# Allegro board BRD_05101_01_rev_b01_aa.brd (continued)
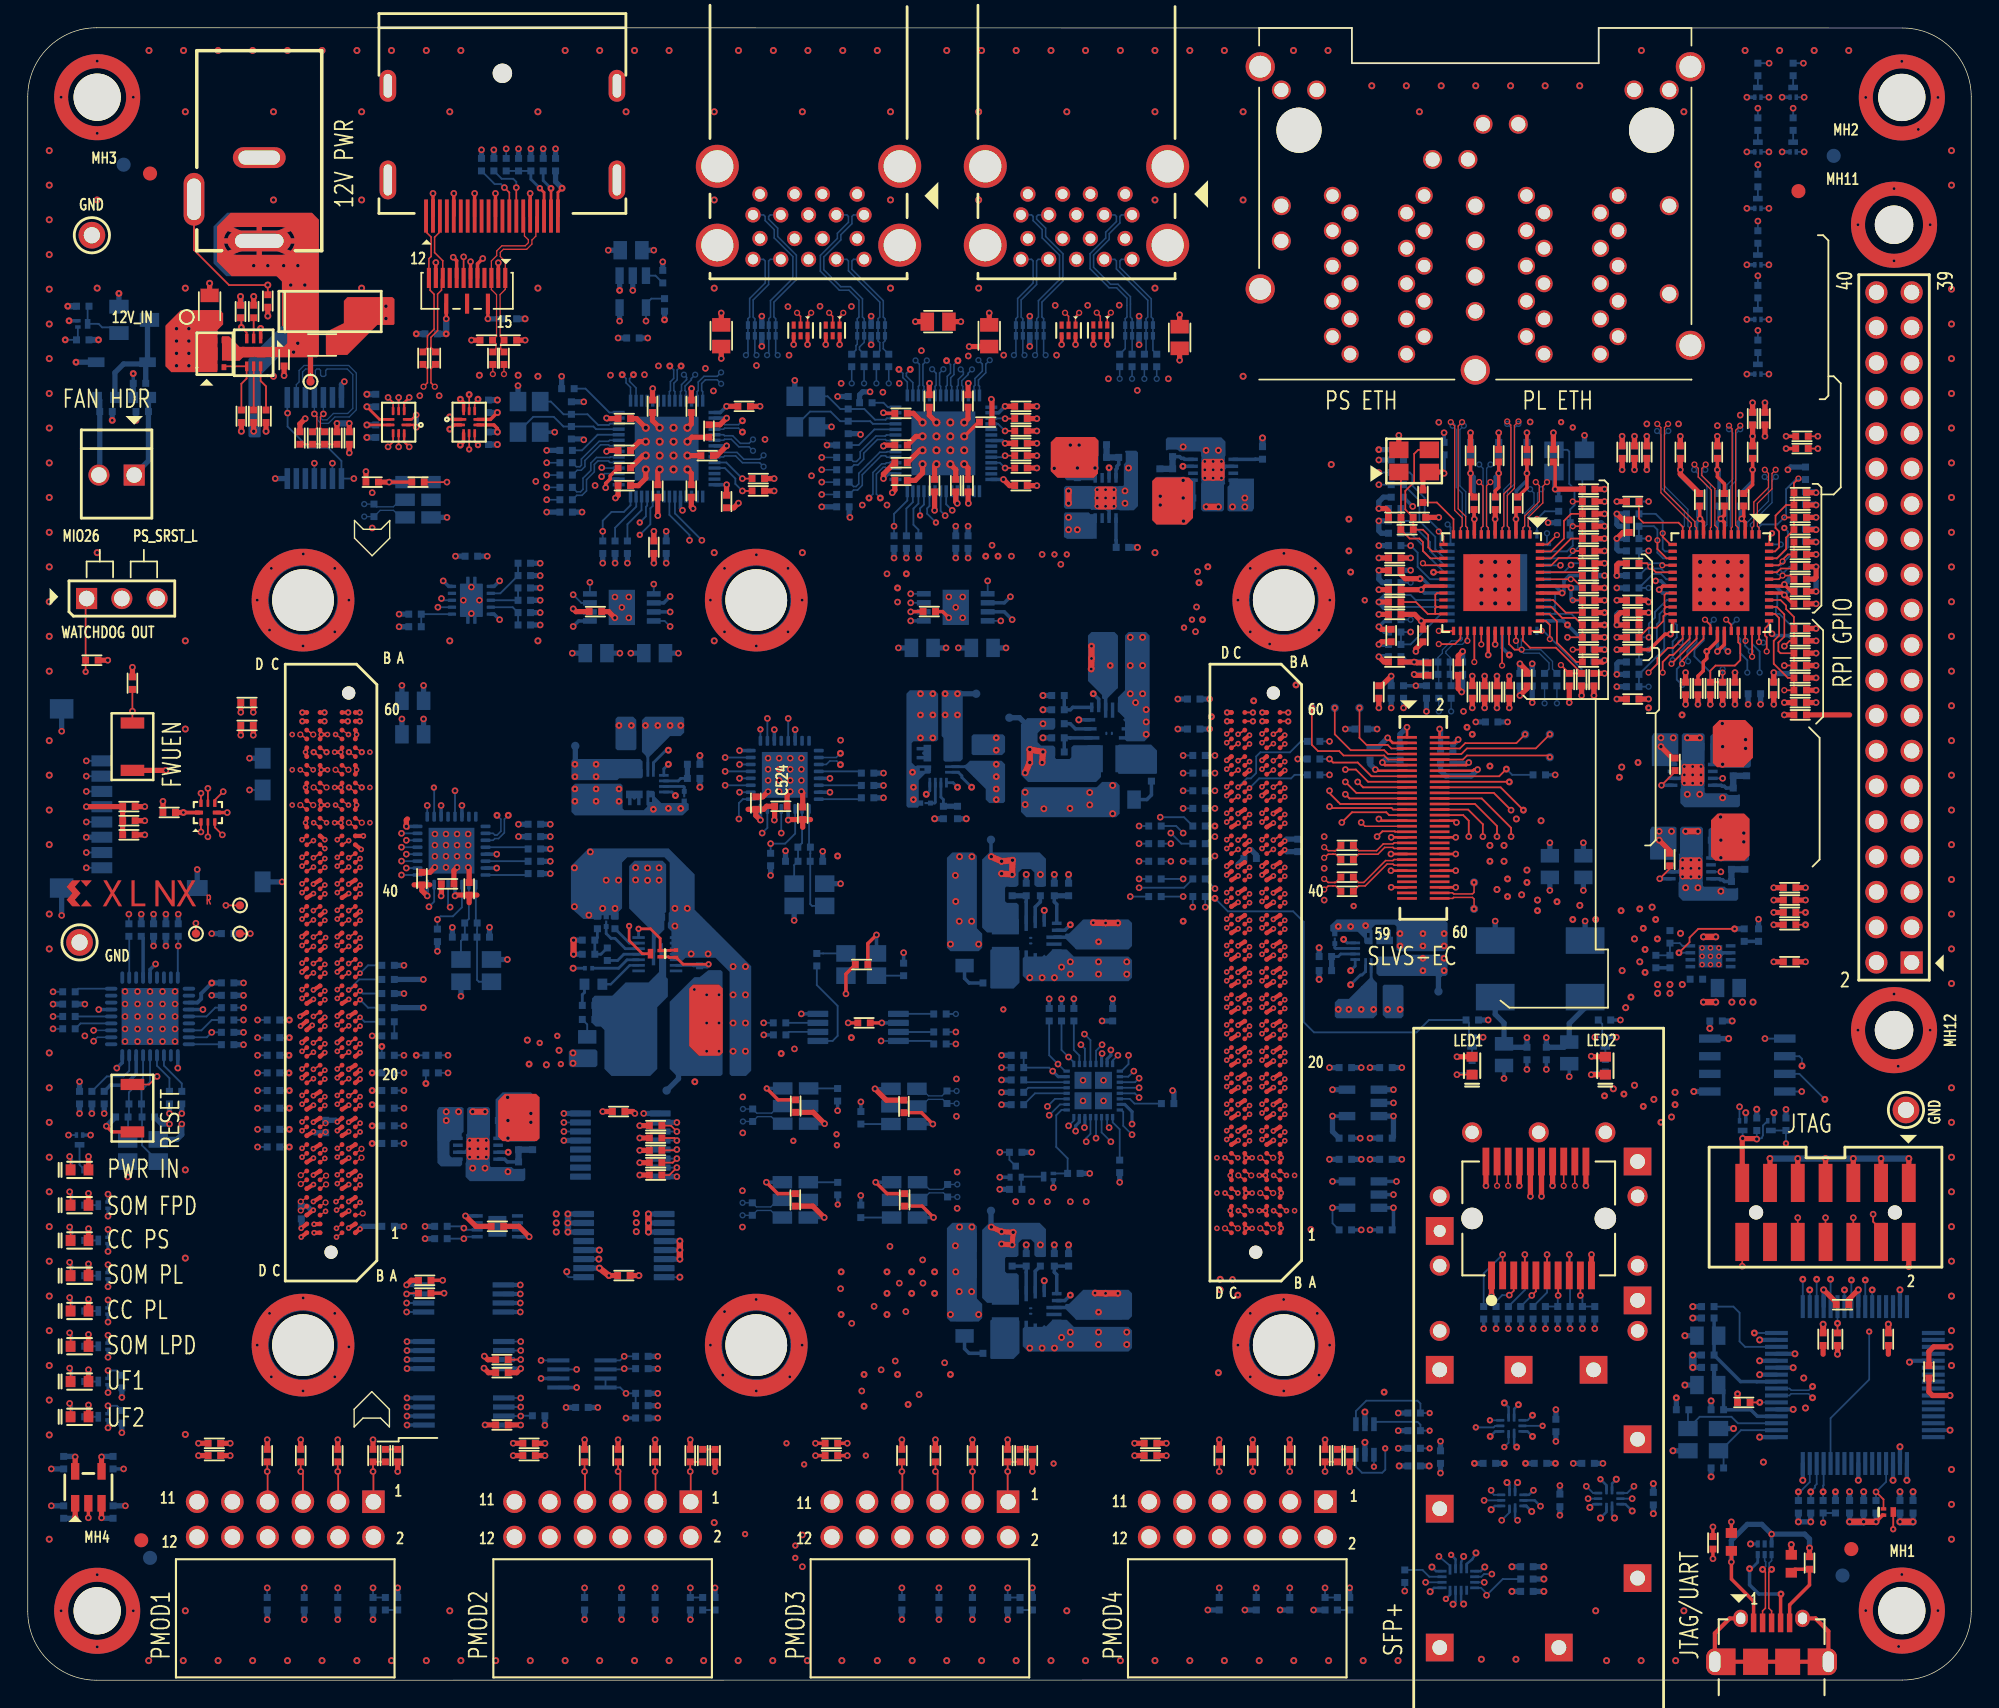
[diagram p0: board, top side]
## Routing (per net, layer and track width the routed paths; a pad name or vN(x,y) marks a point on that pad's centre or on a via; arc(x,y) is an arc through that point) (continued)
VCC_BATT: length 2.1
  TOP w0.305: JA1.A1 v1(23.94,32.5)
  BOTTOM w0.381: R44.1 24.13,32.69 v1(23.94,32.5)
VCCOEN_PL_M2C: length 151.2
  TOP w0.305: JA1.A20 v1(23.12,43.99)
  L03_SIG w0.254: v1(23.12,43.99) 23.82,44.7 25.75,44.7 26.08,44.37 v2(36.11,44.37) ; v2(85.77,22.14) 79.15,28.77 v7(73.22,28.77)
  L05_SIG w0.254: v2(95.3,51.1) 97.46,48.94 97.46,43.25 96.32,42.11 94.46,42.11 92.43,40.08 v5(92.43,32.46) ; v2(36.11,44.37) 40.31,40.18 40.31,37.64 42.34,35.61 48.07,35.61 50.37,37.91 50.37,42.87 51.34,43.84 56.27,43.84 57.37,44.94 68.01,44.94 68.8,45.73 68.8,50.14 70.79,52.12 70.79,53 v7(73.22,55.44)
  L10_SIG w0.254: v5(92.43,32.46) 92.02,32.05 87.42,32.05 85.01,29.64 85.01,22.91 v2(85.77,22.14) ; v2(95.3,51.1) 94.79,51.61 86.28,51.61 v2(83.23,54.66)
  L12_SIG w0.254: v2(83.23,54.66) 79.17,54.66 78.38,55.44 v7(73.22,55.44)
  BOTTOM w0.203: U4.9 95.62,51.43 v2(95.3,51.1)
  BOTTOM w0.254: U72.12 v7(73.22,55.44) ; U2.12 v7(73.22,28.77)
VCCOEN_PS_M2C: length 91
  TOP w0.305: JA1.A19 v1(23.94,43.93)
  L03_SIG w0.254: v2(48.05,43.1) 47.88,43.28 37.97,43.28 37.74,43.51 30.94,43.51 30.53,43.1 29.76,43.1 29.26,43.61 28.11,43.61 27.73,43.23 26.34,43.23 25.29,44.28 24.29,44.28 v1(23.94,43.93) ; v7(75.72,69.16) 74.93,68.37 71.67,68.37 71.29,68.75 68.88,68.75 67.48,67.36 67.48,64.82 v2(66.98,64.31) 65.07,66.21 60.63,66.21 59.36,64.94 59.36,63.8 58.47,62.91 48.69,62.91 46.15,65.45 v2(46.15,65.96)
  L05_SIG w0.254: v2(48.05,43.1) 46.91,44.24 46.91,52.75 48.18,54.02 48.18,63.17 46.15,65.2 v2(46.15,65.96)
  BOTTOM w0.203: v2(66.98,64.31) 66.65,64.64 U5.9 ; U3.9 45.82,65.63 v2(46.15,65.96)
  BOTTOM w0.254: U1.12 v7(75.72,69.16)
VCCR_SFP: length 22.4
  TOP w0.381: J23.15 v5(109.05,34.84)
  L05_SIG w0.254: v5(109.39,46.28) 110.03,45.64 110.03,43.23 107.11,40.31 107.11,38.53 109.05,36.59 v5(109.05,34.84)
  BOTTOM w0.381: v5(109.39,46.28) C433.1 110.67,45.58 C432.1 111.04,47.29 112.19,48.43 L10.2
VCCT_SFP: length 21.6
  TOP w0.381: J23.16 v5(108.25,34.84)
  L05_SIG w0.254: v5(108.25,34.84) 108.25,36.37 106.22,38.4 106.22,41.07 107.11,41.96 107.11,45.39 v5(108,46.28)
  BOTTOM w0.381: L11.2 105.71,47.96 106.35,47.32 C434.1 106.59,45.58 C435.1 v5(108,46.28)
CC_PL_PGOOD: length 248
  L03_SIG w0.102: v5(5.78,27.38) 7.69,27.38 16.73,18.33 22.53,18.33 26.72,14.14 50.72,14.14 51.61,15.03 61.51,15.03 62.09,15.6 v6(73.9,15.6)
  L05_SIG w0.102: v2(75.1,54.4) 73.5,52.8 73.5,50.14 72.94,49.58 72.94,47.93 74.98,45.89 v5(74.98,44.88) 74.98,40.69 74.47,40.18 74.47,33.45 75.61,32.3 75.61,28.24 v2(75.1,27.73) 75.74,27.1 75.74,17.45 v6(73.9,15.6)
  L10_SIG w0.102: v5(122.09,64.95) 122.6,64.44 122.6,58.85 v5(121.97,58.22) 121.97,57.58 120.82,56.43 116.63,56.43 115.57,57.5 109.39,57.5 105.66,53.77 103.68,53.77 102.31,52.4 97.61,52.4 v2(95.3,50.08) 94.41,50.97 91.99,50.97 90.72,49.7 84.88,49.7 83.49,48.31 v6(70.28,48.31)
  L12_SIG w0.102: v2(75.1,54.4) 69.95,54.4 67.46,56.89 60.58,56.89 59.05,58.42 57.2,58.42 56.31,59.3 56.31,61.54 55.22,62.63 50.54,62.63 50.14,62.23 50.14,60.65 62.09,48.7 68.23,48.7 68.63,48.31 v6(70.28,48.31)
  BOTTOM w0.127: 121.26,58.22 v5(121.97,58.22) ; U9.3 v5(122.09,64.95) ; 75.35,44.38 75.35,44.5 v5(74.98,44.88) 74.47,45.39 R28.2
  BOTTOM w0.132: Q10.1 v5(5.78,27.38)
  BOTTOM w0.203: v2(95.3,50.08) 96,50.79 96.11,50.79 96.37,51.05 U4.8
  BOTTOM w0.254: U72.14 74.71,54.01 v2(75.1,54.4) ; U2.14 74.71,27.34 v2(75.1,27.73)
CC_PS_PGOOD: length 206.6
  L03_SIG w0.102: v5(5.78,32.46) 6.78,31.47 6.78,29 16.94,18.84 24.18,18.84 27.48,15.54 v6(55.93,15.54)
  L05_SIG w0.102: v6(55.93,15.54) 55.93,17.06 57.63,18.77 57.63,28.77 53.8,32.59 53.8,39.24 57.19,42.62 59.97,42.62 61.7,40.89 65.6,40.89 66.83,39.66 70.65,39.66 74.47,43.48 74.47,44.12 v5(74.21,44.37) 74.21,45.77 71.48,48.5 71.48,52.94 73.96,55.42 73.96,56.69 73.45,57.2 73.45,58.85 v2(67.99,64.31) 67.99,66.98 71.42,70.4 76.12,70.4 v2(76.75,71.04) 77.14,71.42 77.14,83.1 76.37,83.87 76.37,85.79 v2(77.89,87.31) 78.38,87.8 82.83,87.8 v2(83.21,87.42)
  L12_SIG w0.102: v2(67.99,64.31) 65.71,66.59 61.35,66.59 59.49,68.45 57.79,68.45 56.95,67.61 46.78,67.61 v2(46.15,66.98)
  BOTTOM w0.127: U19.24 74.72,43.86 v5(74.21,44.37) 73.58,45 R7.2
  BOTTOM w0.132: Q8.1 v5(5.78,32.46)
  BOTTOM w0.203: v2(46.15,66.98) 45.97,66.98 45.07,66.07 U3.8 ; v2(67.99,64.31) 67.29,65.01 67.29,65.12 67.03,65.39 U5.8
  BOTTOM w0.254: U10.3 v2(77.89,87.31) ; v2(76.75,71.04) 77.15,70.65 77.15,70.06 ; U12.3 v2(83.21,87.42)
CC_PS_POR_B: length 114.2
  TOP w0.127: v5(9.32,43.48) 8.74,42.9 SW2.2
  L03_SIG w0.102: v6(54.66,17.06) 54.15,16.56 40.05,16.56 35.73,20.87 23.03,20.87 22.02,19.86 17.57,19.86 15.05,22.38 15.05,38.64 10.21,43.48 v5(9.32,43.48)
  L05_SIG w0.102: v6(54.66,17.06) 56.82,19.22 56.82,28.38 52.29,32.91 52.29,38.62 57.12,43.46 65.13,43.46 65.77,44.09 70.12,44.09 v5(70.15,44.12)
  BOTTOM w0.132: R452.1 v5(70.15,44.12)
CC_PS_POR_B_R: length 4.3
  BOTTOM w0.127: R452.2 73.58,44.12 v5(73.83,43.86)
  BOTTOM w0.132: R452.2 C548.1
  BOTTOM w0.229: v5(73.83,43.86) 74.23,43.46 U19.23
D_CLK_0_N: length 3.3
  TOP w0.114: v2(104.19,55.55) 104.19,56.26 104.07,56.37 102.72,56.37 102.65,56.3 J22.60
D_CLK_0_P: length 3.3
  TOP w0.114: v2(104.19,57.45) 104.19,56.74 104.07,56.62 102.72,56.62 102.65,56.7 J22.58
DP_3V3: length 6.7
  TOP w0.203: v2(38.49,107.44) 38.19,107.15 J6.20
  TOP w0.254: U61.6 v5(31.9,102.15)
  BOTTOM w0.381: C365.1 38.02,107.91 v2(38.49,107.44) ; C266.1 v5(41.82,102.98) ; U33.1 v2(42.63,100.09)
DP_AUX_C_N: length 12.5
  TOP w0.094: C112.2 34.07,95.89 34.07,96.26 R205.2 34.02,96.79 34.02,99.78 34.4,100.16 U61.1 34.4,102.17 34.04,102.53 34.04,102.82 34.26,103.04 35.94,103.04 36.32,103.42 36.32,103.71 36.6,103.99 36.6,105.35 J6.17
DP_AUX_C_P: length 12.5
  TOP w0.094: C111.2 33.73,95.88 33.73,96.26 R206.1 33.78,96.8 33.77,96.8 33.77,99.78 33.4,100.15 U61.3 33.4,102.21 33.78,102.59 33.78,102.92 34.16,103.3 35.84,103.3 36.06,103.52 36.06,103.73 35.78,104.01 35.78,105.35 J6.15
DP_AUX_N: length 45.1
  TOP w0.094: R173.2 20.82,90.21 20.82,91.01 v5(20.65,91.19) ; C112.1 v3(34.3,94.06)
  L03_SIG w0.091: v5(20.65,91.19) 20.65,90.9 20.84,90.7 20.84,90.39 20.39,89.94 19.6,89.94 19.45,90.1 19.45,93.06 22.54,96.15 26.36,96.15 28.75,98.55 30.68,98.55 31.1,98.13 31.1,96.19 31.7,95.59 31.7,93.51 32.17,93.04 32.75,93.04 32.85,92.93 32.85,92.58 32.96,92.48 33.11,92.48 33.22,92.58 33.22,92.93 33.33,93.04 33.52,93.04 34.03,93.55 34.03,93.79 v3(34.3,94.06)
  BOTTOM w0.094: U29.11 v5(20.65,91.19) 20.87,90.96 20.87,90.76 21.12,90.51 21.67,90.51 22.12,90.97 23.15,90.97 23.67,91.49 23.67,94.13 23.12,94.68 19.91,94.68 19.54,94.32 19.54,93.5 19.35,93.3 U29.9
DP_AUX_P: length 45.1
  TOP w0.094: v5(21.3,91.19) 21.08,90.97 21.08,90.21 R172.2 ; C111.1 v3(33.5,94.06)
  L03_SIG w0.091: v3(33.5,94.06) 33.78,93.79 33.78,93.66 33.41,93.29 32.28,93.29 31.95,93.62 31.95,95.7 31.35,96.3 31.35,98.24 30.79,98.8 28.64,98.8 26.25,96.4 22.44,96.4 19.19,93.16 19.19,89.99 19.49,89.69 20.5,89.69 21.1,90.29 21.1,90.7 21.3,90.9 v5(21.3,91.19)
  BOTTOM w0.094: U29.10 20,93.3 19.8,93.5 19.8,94.21 20.01,94.42 20.25,94.42 20.34,94.33 20.34,93.99 20.44,93.89 20.62,93.89 20.72,93.99 20.72,94.33 20.81,94.42 21,94.42 21.09,94.33 21.09,93.99 21.19,93.89 21.38,93.89 21.47,93.99 21.47,94.33 21.56,94.42 23.02,94.42 23.41,94.03 23.41,91.59 23.05,91.22 22.02,91.22 21.56,90.77 21.22,90.77 21.13,90.86 21.13,91.1 21.22,91.19 v5(21.3,91.19) U29.12
DP_HPD_R: length 15.5
  TOP w0.127: U61.7 v5(31.4,102.5)
  TOP w0.203: J6.18 37.19,107.14 v6(36.89,107.44)
  L05_SIG w0.102: v5(31.4,102.5) 33.84,104.95 36.11,104.95 36.89,105.72 v6(36.89,107.44)
  BOTTOM w0.132: R352.2 R174.1 C366.1
  BOTTOM w0.203: v6(36.89,107.44) 36.24,108.09 C366.1
DP_LN0_C_N: length 10.7
  TOP w0.114: J6.3 29.61,105.36 29.61,104.22 29.31,103.92 29.31,102.81 29.9,102.22 U61.10 29.81,100.89 29.81,100.1 29.52,99.82 29.52,97.19 29.04,96.71 29.04,95.98 C118.2
DP_LN0_C_P: length 10.5
  TOP w0.114: J6.1 28.77,105.36 28.77,104.22 29.06,103.93 29.06,102.53 28.9,102.37 U61.12 28.99,100.89 28.99,100.09 29.27,99.81 29.27,97.29 28.79,96.81 28.79,95.98 C117.2
DP_PWR_EN: length 2.7
  BOTTOM w0.127: U33.4 v5(44.53,97.88)
  BOTTOM w0.132: U33.4 44.53,99.1 44.92,99.49 R196.2
DP_PWR_FAULT_B: length 1.4
  BOTTOM w0.132: U33.3 45.22,101.15 R195.2
EEPROM_WC_B: length 120.3
  TOP w0.132: v5(35.51,23.09) 35.06,23.09 35.05,23.08 R256.1 ; Q19.3 v6(134.38,10.87)
  L03_SIG w0.102: v6(134.38,10.87) 132.92,10.87 125.01,2.97 113.46,2.97 112.19,4.24 96.57,4.24 95.04,5.76 54.45,5.76 51.67,8.53 v6(51.67,10.52)
  L05_SIG w0.102: v5(35.51,23.09) 36.6,24.18 40.18,24.18 41.58,22.78 41.58,16.68 42.6,15.66 47.88,15.66 51.67,11.86 v6(51.67,10.52)
  BOTTOM w0.127: U15.7 v5(35.51,23.09)
FB_UTIL_3V3: length 3.4
  BOTTOM w0.254: R38.1 34.54,37.33 34.35,37.52 U7.4
  BOTTOM w0.457: R38.1 C41.2 R39.2
FTDI_3V3_FB: length 3.4
  BOTTOM w0.132: U11.4 119.2,52.88 119,53.08 R41.1 C44.2 R36.2
FTDI_3V3_PG: length 6.4
  TOP w0.132: v2(118.95,52.39) 119.71,53.15 119.71,53.48 120.34,54.11 v2(122.96,54.11)
  BOTTOM w0.132: v2(118.95,52.39) 119.77,52.39 U11.3
  BOTTOM w0.381: R40.2 v2(122.96,54.11)
FTDI_EEPROM_WC: length 4.4
  TOP w0.132: Q19.1 133.68,13.02 v5(133.14,13.56)
  BOTTOM w0.127: U24.52 133.87,14.29 v5(133.14,13.56) R262.1
FTDI_LS_OE_B: length 25.5
  TOP w0.132: R235.2 v2(130.37,25.7)
  L03_SIG w0.102: v2(130.37,25.7) 130.61,25.7 132.38,27.48 132.38,28.24 131.87,28.75 131.87,29.43 130.69,30.61 126.88,30.61 125.99,31.5 125.99,35.9 124,37.89 124,39.54 123.31,40.23 v5(123.31,41.3)
  BOTTOM w0.132: Q13.1 v5(123.31,41.3) ; U24.22 v2(130.37,25.7)
FTDI_PS_POR_B: length 29.8
  L03_SIG w0.102: v2(108.4,19.08) 109.53,20.22 114.97,20.22 118.88,24.13 121.8,24.13 127.26,29.59 129.93,29.59 130.87,28.65 v2(130.87,28.11)
  BOTTOM w0.132: v2(108.4,19.08) 108.04,18.72 U71.8 ; U24.23 v2(130.87,28.11)
FTDI_PS_POR_B_LS: length 12.6
  L03_SIG w0.102: v6(100.99,19.24) 104.81,19.24 v6(105.33,18.72)
  BOTTOM w0.132: U71.5 v6(105.33,18.72) ; U23.1 95.68,19.38 96.43,20.13 100.12,20.13 100.32,19.92 R266.2 v6(100.99,19.24)
FTDI_PS_SRST_B: length 34.3
  L03_SIG w0.102: v2(131.37,28.82) 130.09,30.1 126.88,30.1 122.18,25.4 119.13,25.4 114.44,20.7 108.97,20.7 107.7,19.43 107.7,18.67 108.06,18.32 v6(109.12,18.32)
  BOTTOM w0.132: U71.9 v6(109.12,18.32) ; U24.24 v2(131.37,28.82)
FTDI_PS_SRST_B_LS: length 9.8
  L03_SIG w0.102: v6(104.31,18.21) 104.08,17.97 v6(100.99,17.97)
  BOTTOM w0.132: v6(100.99,17.97) R267.2 100.32,18.4 100.12,18.61 97.15,18.61 U23.3 ; v6(104.31,18.21) 105.6,18.21 105.71,18.32 U71.4
FTDI_PWREN_B: length 48.9
  L03_SIG w0.102: v6(132.65,25.1) 131.72,24.18 127.17,24.18 125.78,25.57 124.13,25.57 120.58,22.02 117.78,22.02 113.46,17.7 109.52,17.7 108.89,17.06 108,17.06 107.74,17.32 106.89,17.32 v6(106.37,16.79) 106.27,16.7 v6(100.99,16.7)
  BOTTOM w0.127: U24.60 129.87,18.87 132.65,21.65 v6(132.65,25.1)
  BOTTOM w0.132: R268.2 v6(100.99,16.7) ; U71.2 106.67,17.1 v6(106.37,16.79)
FTDI_TCK: length 33.8
  L03_SIG w0.102: v5(105.47,7.64) 107.81,7.64 108.59,6.86 112.4,6.86 116.21,10.67 116.21,15.75 121.29,20.83 122.18,20.83 123.71,22.35 123.71,24.33 v2(124.38,25.01)
  BOTTOM w0.132: U24.16 v2(124.38,25.01) ; v5(105.47,7.64) 104.9,7.64 104.71,7.45 U22.6
FTDI_TDI: length 38.3
  L12_SIG w0.102: v5(104.92,7.05) 106.49,7.05 107.74,8.3 107.74,12.49 108.25,13 110.16,13 110.85,13.7 110.85,15.73 114.47,19.35 115.87,19.35 119.5,22.98 120.52,22.98 126.41,28.88 v2(127.87,28.88)
  BOTTOM w0.132: U22.7 v5(104.92,7.05) ; U24.17 v2(127.87,28.88)
FTDI_TDO: length 29.3
  L12_SIG w0.102: v5(108.97,12.53) 110.58,12.53 111.3,13.25 111.3,13.76 112.82,15.29 112.82,16.18 115.43,18.78 116.19,18.78 119.43,22.02 120.44,22.02 126.53,28.11 v2(128.37,28.11)
  BOTTOM w0.132: U24.18 v2(128.37,28.11)
  BOTTOM w0.178: U25.9 108.56,12.95 v5(108.97,12.53)
FTDI_TMS: length 30.7
  L12_SIG w0.102: v2(128.87,28.88) 128.11,29.64 125.4,29.64 115.62,19.86 114.22,19.86 110.41,16.05 109.9,16.05 108.47,14.61 v5(108.47,13.68)
  BOTTOM w0.132: U24.19 v2(128.87,28.88)
  BOTTOM w0.178: U25.8 108.14,13.35 v5(108.47,13.68)
FTDI_UARTB_RXD: length 30.1
  L12_SIG w0.102: v5(115.58,13.08) 115.96,12.7 124.71,12.7 131.87,19.86 131.87,26.08 132.87,27.08 v2(132.87,28.11)
  BOTTOM w0.132: U64.9 v5(115.58,13.08) ; U24.27 v2(132.87,28.11)
FTDI_UARTB_TXD: length 30.9
  L12_SIG w0.102: v5(115.71,13.97) 116.42,13.25 124.38,13.25 131.23,20.1 131.23,26.58 132.37,27.72 v2(132.37,28.82)
  BOTTOM w0.132: U64.8 115.22,13.48 v5(115.71,13.97) ; U24.26 v2(132.37,28.82)
FWUEN_C2M_B: length 31.8
  TOP w0.127: C236.1 v5(7.54,69.79) SW1.2
  TOP w0.132: JA1.C28 v1(21.4,49.64)
  L10_SIG w0.102: v5(7.54,69.79) 11.72,69.79 17.3,64.2 17.3,52.64 19.6,50.34 20.7,50.34 v1(21.4,49.64)
GEM0_13_NC: length 0.8
  BOTTOM w0.127: U81.13 v4(109.44,82.6)
GEM0_48_NC: length 1.5
  BOTTOM w0.132: U81.48 102.49,83.02 v4(102.28,83.23)
GEM0_GPIO0: length 5.2
  BOTTOM w0.132: U81.39 98.95,77.29 R406.2 R418.1 v4(99.62,76.37)
GEM0_GPIO1: length 5.3
  BOTTOM w0.132: U81.40 99.98,77.79 99.61,78.15 R405.2 R417.1 v4(99.62,79.04)
GEM0_INT_PWDN: length 5
  BOTTOM w0.132: R404.2 99.61,82.6 100.5,81.71 100.5,81.33 102.04,79.79 U81.44
GEM0_JTAG: length 5.5
  BOTTOM w0.132: R414.2 111.19,76.79 110.03,76.79 ; U81.20 109.45,78.28 109.9,78.28 110.03,78.15 110.03,77.39 109.93,77.29 ; 109.93,77.29 U81.22 ; 109.93,77.29 110.03,77.19 110.03,76.79 ; 110.03,76.79 U81.23
GEM0_LED0: length 42.8
  L05_SIG w0.102: v5(125.43,94.06) 124.82,94.66 122.73,94.66 120.95,92.88 114.98,92.88 113.84,91.74 101.05,91.74 100.14,90.83 100.14,88.61 98.5,86.97 v5(97.33,86.97)
  BOTTOM w0.132: U81.47 102.06,81.29 101.77,81.58 101.77,82.72 100.63,83.87 100.63,85.14 99.74,86.03 99.74,86.79 99.56,86.97 R409.2 R421.1 v5(97.33,86.97) ; Q32.1 v5(125.43,94.06)
GEM0_LED0_CA: length 44.7
  L10_SIG w0.102: J10.D13 91.49,102.47 91.49,97.46 94.66,94.28 101.39,94.28 103.42,96.31 105.46,96.31 107.49,94.28 121.71,94.28 v5(124.63,97.2)
  BOTTOM w0.132: R425.2 v5(124.63,97.2)
GEM0_LED1: length 50
  L05_SIG w0.102: v5(125.43,101.93) 124.54,101.93 122.6,100 122.6,95.93 120.44,93.77 114.6,93.77 113.33,92.5 98.6,92.5 96.57,90.47 96.57,86.86 v5(97.33,86.09)
  BOTTOM w0.132: Q31.1 v5(125.43,101.93) ; v5(97.33,86.09) R420.1 R408.2 100.25,84.95 100.25,83.49 101.39,82.34 101.39,81.45 102.06,80.79 U81.46
GEM0_LED1_CA: length 28.6
  L10_SIG w0.102: J10.D12 105.71,105.08 105.71,108 106.98,109.27 114.32,109.27 116.76,106.83 116.76,104.82 117.27,104.31 123.87,104.31 v5(124.63,105.08)
  BOTTOM w0.132: R413.2 v5(124.63,105.08)
GEM0_LED2: length 6.2
  BOTTOM w0.132: R419.1 R407.2 99.49,83.49 101.01,81.96 101.01,81.33 102.05,80.29 U81.45
GEM0_RBIAS: length 2.9
  BOTTOM w0.127: U81.12 v5(108.72,83.61)
  BOTTOM w0.132: R427.1 109.28,84.18 v5(108.72,83.61)
GEM0_RX_CTRL: length 6.1
  BOTTOM w0.132: v5(99.62,75.48) R423.1 R410.2 99.61,74.6 101.81,76.79 U81.38
GEM0_SGMII_SI_N: length 4.8
  BOTTOM w0.094: C550.2 109.58,72.82 109.58,73.26 108.89,73.96 107.74,73.96 107.34,74.37 107.34,74.97 107.21,75.09 U81.28
GEM0_SGMII_SI_P: length 4.8
  BOTTOM w0.094: U81.27 107.72,75.09 107.59,74.97 107.59,74.47 107.85,74.21 108.99,74.21 109.84,73.37 109.84,72.82 C549.2
GEM0_SGMII_SO_N: length 5.2
  BOTTOM w0.094: C551.2 101.65,72.38 R424.1 R411.2 101.59,73.65 101.9,73.96 101.9,74.2 102.56,74.85 103.24,74.85 103.34,74.94 103.34,75.06 103.21,75.19 U81.36
GEM0_SGMII_SO_P: length 5.2
  BOTTOM w0.094: U81.35 103.71,75.14 103.59,75.02 103.59,74.84 103.35,74.6 102.66,74.6 102.16,74.09 102.16,73.96 102.47,73.65 R412.2 R422.1 102.54,72.37 C552.2
GEM0_TD_A_N: length 37.3
  L12_SIG w0.091: J10.D1 93.99,105.83 93.87,105.71 92.91,105.71 91.49,104.29 91.49,95.45 98.37,88.57 102.51,88.57 103.17,89.22 103.17,90.06 v4(103.45,90.34)
  BOTTOM w0.094: U81.2 103.71,82.99 103.59,83.11 103.59,85.58 103.17,86 103.17,90.06 v4(103.45,90.34)
GEM0_TD_A_P: length 37.3
  L12_SIG w0.091: J10.D2 94.17,105.65 93.97,105.46 93.01,105.46 91.74,104.19 91.74,95.55 98.47,88.82 100.91,88.82 101,88.91 101,89.1 101.09,89.19 101.28,89.19 101.37,89.1 101.37,88.91 101.46,88.82 101.64,88.82 101.73,88.91 101.73,89.1 101.82,89.19 102.01,89.19 102.1,89.1 102.1,88.91 102.19,88.82 102.41,88.82 102.92,89.33 102.92,90.06 v4(102.64,90.34)
  BOTTOM w0.094: v4(102.64,90.34) 102.92,90.06 102.92,85.9 103.34,85.48 103.34,83.11 103.21,82.99 U81.1
GEM0_TD_B_N: length 38.6
  L12_SIG w0.091: J10.D3 93.99,103.29 93.9,103.2 93.06,103.2 92.5,102.64 92.5,95.7 97.18,91.02 103.76,91.02 104.44,90.34 104.44,89.43 102.68,87.67 102.68,86.06 103.1,85.64 104.78,85.64 105.09,85.95 105.09,87.27 v4(105.37,87.55)
  BOTTOM w0.094: U81.5 105.22,82.99 105.09,83.11 105.09,87.27 v4(105.37,87.55)
GEM0_TD_B_P: length 38.6
  L12_SIG w0.091: J10.D4 94.17,103.11 94,102.95 93.17,102.95 92.76,102.54 92.76,95.8 97.29,91.28 103.87,91.28 104.69,90.45 104.69,89.33 102.93,87.56 102.93,86.16 103.2,85.89 103.91,85.89 104,85.98 104,86.15 104.1,86.24 104.28,86.24 104.37,86.15 104.37,85.98 104.46,85.89 104.68,85.89 104.84,86.05 104.84,86.5 104.75,86.6 104.54,86.6 104.45,86.69 104.45,86.87 104.54,86.96 104.75,86.96 104.84,87.05 104.84,87.27 v4(104.56,87.55)
  BOTTOM w0.094: U81.4 104.72,82.99 104.84,83.11 104.84,87.27 v4(104.56,87.55)
GEM0_TD_C_N: length 30.1
  L12_SIG w0.091: v4(107.39,90.47) 107.11,90.75 107.11,91.08 105.31,92.88 102.79,92.88 101.77,93.9 98.85,93.9 97.96,94.79 97.96,100.48 96.44,102.01 95.25,102.01 95.08,101.84 J10.D5
  BOTTOM w0.094: v4(107.39,90.47) 107.11,90.19 107.11,86.15 106.59,85.64 106.59,83.11 106.71,82.99 U81.8
GEM0_TD_C_P: length 30.1
  L12_SIG w0.091: v4(106.58,90.47) 106.85,90.75 106.85,90.98 106.63,91.2 106.5,91.2 106.33,91.03 106.2,91.03 106.07,91.16 106.07,91.29 106.24,91.46 106.24,91.59 105.2,92.63 102.68,92.63 101.67,93.65 98.75,93.65 97.71,94.68 97.71,100.38 96.33,101.75 95.35,101.75 95.26,101.66 J10.D6
  BOTTOM w0.094: v4(106.58,90.47) 106.85,90.19 106.85,86.26 106.34,85.74 106.34,83.11 106.21,82.99 U81.7
GEM0_TD_D_N: length 30
  L12_SIG w0.091: v4(109.04,85.77) 108.72,86.09 108.72,86.22 109.01,86.51 109.01,87.92 108.62,88.31 106.2,88.31 105.46,89.05 105.46,90.96 104.29,92.12 102.03,92.12 101.52,92.63 98.09,92.63 96.95,93.77 96.95,98.7 96.18,99.47 95.25,99.47 95.08,99.3 J10.D7
  BOTTOM w0.094: v4(109.04,85.77) 108.76,85.49 108.76,84.59 108.09,83.92 108.09,83.11 108.22,82.99 U81.11
GEM0_TD_D_P: length 30
  L12_SIG w0.091: J10.D8 95.26,99.12 95.35,99.21 96.08,99.21 96.69,98.6 96.69,93.67 97.99,92.38 101.41,92.38 101.92,91.87 104.19,91.87 105.2,90.85 105.2,88.95 106.09,88.06 108.52,88.06 108.76,87.82 108.76,87.56 108.67,87.47 108.41,87.47 108.32,87.38 108.32,87.2 108.41,87.11 108.67,87.11 108.76,87.01 108.76,86.62 108.47,86.32 108.47,86.01 v4(108.23,85.77)
  BOTTOM w0.094: U81.10 107.72,82.99 107.84,83.11 107.84,84.03 108.5,84.69 108.5,85.49 v4(108.23,85.77)
GEM0_TX_D2_D3: length 5.2
  BOTTOM w0.132: R458.1 111.93,72.82 109.19,75.57 U81.25 U81.26
GEM0_XI: length 8.2
  BOTTOM w0.132: U81.15 110.89,80.79 111.81,81.71 111.81,82.27 R460.2 112,83.35 C554.1 111.99,86.85 X9.1
GEM0_XO: length 10.3
  BOTTOM w0.132: U81.14 110.88,81.29 111.3,81.71 111.3,82.27 R460.1 111.1,83.35 C553.1 111.11,84.32 111.43,84.63 111.43,85.77 111.04,86.15 111.04,88.47 110.91,88.6 109.94,88.6
GEM1_13_NC: length 1.1
  TOP w0.127: v3(101.65,82.72) 101.98,82.39 U36.13
GEM1_48_NC: length 1.5
  TOP w0.127: v3(110.16,82.47) 109.48,81.79 U36.48
GEM1_GPIO0: length 5.6
  TOP w0.127: U36.39 109.75,77.29 110.54,76.5 111.48,76.5 R105.2 R117.1 v5(110.92,75.1)
GEM1_GPIO1: length 5
  TOP w0.127: v3(111.3,77.77) R116.1 R104.2 110.79,76.88 109.88,77.79 U36.40
GEM1_INT_PWDN: length 3.2
  TOP w0.127: R102.2 111.75,79.79 U36.44
GEM1_JTAG: length 6
  TOP w0.127: 101.39,76.79 101.39,76.79 101.39,77.18 101.49,77.29 ; 101.39,76.79 U36.23 ; 101.39,76.79 100.85,76.79 100,77.64 R113.2 ; 101.49,77.29 U36.22 ; 101.49,77.29 101.39,77.39 101.39,78.16 101.52,78.29 U36.20
GEM1_LED0: length 43.1
  TOP w0.127: v3(111.3,84.88) R120.1 R108.2 111.17,83.99 110.66,83.49 110.66,82.22 109.74,81.29 U36.47
  L03_SIG w0.102: v3(111.3,84.88) 111.43,85.01 111.43,88.31 110.46,89.28 v6(110.46,90.6)
  L05_SIG w0.102: v6(110.46,90.6) 110.84,90.98 114.35,90.98 115.32,91.95 121.29,91.95 122.56,93.22 125.61,93.22 126.54,94.15 126.54,104.88 v5(125.43,106)
  BOTTOM w0.132: Q4.1 v5(125.43,106)
GEM1_LED0_CA: length 35.4
  L10_SIG w0.102: J10.C13 96.45,110.92 104.44,110.92 105.14,110.22 114.23,110.22 116.15,108.3 123.79,108.3 v5(124.63,109.14)
  BOTTOM w0.132: R127.2 v5(124.63,109.14)
GEM1_LED1: length 51.3
  TOP w0.127: U36.46 109.75,80.79 111.17,82.22 R107.2 R119.1 v3(111.3,83.1)
  L03_SIG w0.102: v3(111.3,83.1) 111.93,83.74 111.93,88.52 111.3,89.16 v6(111.3,90.22)
  L05_SIG w0.102: v6(111.3,90.22) 114.6,90.22 115.62,91.23 121.59,91.23 122.86,92.5 125.9,92.5 127.17,93.77 127.17,111.04 127.97,111.84 v5(127.97,114)
  BOTTOM w0.132: Q3.1 v5(127.97,114)
GEM1_LED1_CA: length 33.6
  L05_SIG w0.102: J10.C12 102.52,108.19 120.15,108.19 122.06,110.1 122.06,113.91 123.33,115.18 126.5,115.18 127.77,116.45 v5(127.91,116.45)
  BOTTOM w0.132: R124.2 v5(127.91,116.45)
GEM1_LED2: length 5
  TOP w0.127: v3(111.3,81.33) R118.1 R106.2 111.61,80.82 110.28,80.82 109.75,80.29 U36.45
GEM1_RBIAS: length 3.8
  TOP w0.127: R126.1 101.51,84.81 102.71,83.61 U36.12
GEM1_TD_A_N: length 36
  TOP w0.094: U36.2 107.71,82.99 107.83,83.11 107.83,83.83 108.89,84.89 108.89,86.03 v3(108.63,86.28)
  L03_SIG w0.091: J10.C1 99.5,106.92 99.36,107.06 99.36,107.74 99.74,108.12 101.77,108.12 102.75,107.14 102.75,97.36 103.42,96.69 105.33,96.69 108.91,93.11 108.91,88.45 108.82,88.36 108.62,88.36 108.53,88.27 108.53,88.09 108.62,88 108.82,88 108.91,87.9 108.91,87.72 108.82,87.63 108.62,87.63 108.53,87.54 108.53,87.36 108.62,87.26 108.82,87.26 108.91,87.17 108.91,86.56 v3(108.63,86.28)
GEM1_TD_A_P: length 36
  TOP w0.094: U36.1 108.21,82.99 108.08,83.11 108.08,83.73 109.14,84.78 109.14,85.98 v3(109.44,86.28)
  L03_SIG w0.091: v3(109.44,86.28) 109.16,86.56 109.16,93.22 105.44,96.95 103.53,96.95 103.01,97.47 103.01,107.25 101.88,108.38 99.64,108.38 99.11,107.85 99.11,106.96 99.32,106.74 J10.C2
GEM1_TD_B_N: length 29.7
  TOP w0.094: v3(106.58,90.65) 106.84,90.39 106.84,85.93 106.33,85.42 106.33,83.11 106.21,82.99 U36.5
  L03_SIG w0.091: v3(106.58,90.65) 106.85,90.37 106.85,90.13 106.76,90.03 106.52,90.03 106.43,89.94 106.43,89.76 106.52,89.67 106.76,89.67 106.85,89.58 106.85,89.33 106.6,89.07 105.82,89.07 105.13,89.76 105.13,91.15 102.09,94.2 102.09,102.58 101.47,103.2 100.68,103.2 100.59,103.29 J10.C3
GEM1_TD_B_P: length 29.7
  TOP w0.094: v3(107.39,90.65) 107.09,90.36 107.09,85.83 106.58,85.32 106.58,83.11 106.71,82.99 U36.4
  L03_SIG w0.091: J10.C4 100.41,103.11 100.58,102.95 101.36,102.95 101.84,102.47 101.84,94.09 104.88,91.05 104.88,89.65 105.71,88.82 106.71,88.82 107.11,89.22 107.11,90.37 v3(107.39,90.65)
GEM1_TD_C_N: length 28
  TOP w0.094: U36.8 104.71,82.99 104.83,83.11 104.83,86 v3(104.55,86.28)
  L03_SIG w0.091: J10.C5 99.5,101.84 99.34,102.01 97.71,102.01 96.57,100.86 96.57,92.78 101.67,87.68 104.08,87.68 104.83,86.93 104.83,86.56 v3(104.55,86.28)
GEM1_TD_C_P: length 28
  TOP w0.094: U36.7 105.21,82.99 105.08,83.11 105.08,86 v3(105.36,86.28)
  L03_SIG w0.091: J10.C6 99.32,101.66 99.23,101.75 97.82,101.75 96.82,100.76 96.82,92.88 101.77,87.93 104.19,87.93 104.42,87.69 104.55,87.69 104.72,87.86 104.85,87.86 104.98,87.73 104.98,87.61 104.81,87.44 104.81,87.31 105.08,87.03 105.08,86.56 v3(105.36,86.28)
GEM1_TD_D_N: length 23.7
  TOP w0.094: U36.11 103.21,82.99 103.33,83.11 103.33,83.71 102.79,84.25 102.79,90.32 v3(102.51,90.6)
  L03_SIG w0.091: J10.C7 99.5,99.3 99.32,99.49 98.11,99.49 97.71,99.08 97.71,94.03 99.11,92.63 101.52,92.63 102.79,91.36 102.79,90.88 v3(102.51,90.6)
GEM1_TD_D_P: length 23.7
  TOP w0.094: v3(103.32,90.6) 103.04,90.32 103.04,84.35 103.58,83.81 103.58,83.11 103.71,82.99 U36.10
  L03_SIG w0.091: J10.C8 99.32,99.12 99.21,99.23 98.22,99.23 97.96,98.98 97.96,94.13 99.21,92.88 101.63,92.88 102.3,92.21 102.43,92.21 102.59,92.38 102.72,92.38 102.85,92.25 102.85,92.12 102.69,91.95 102.69,91.82 103.04,91.46 103.04,90.88 v3(103.32,90.6)
GEM1_XI: length 8.5
  TOP w0.127: X10.1 98.92,86.85 C556.1 98.91,83.73 R461.2 99.55,82.22 100.25,82.22 100.5,81.96 100.5,81.33 101.04,80.79 U36.15
GEM1_XO: length 10.5
  TOP w0.127: X10.3 100.16,88.6 99.87,88.31 99.87,86.28 99.23,85.64 99.23,84.31 C555.1 99.81,83.73 R461.1 100.5,82.85 100.88,82.47 100.88,81.58 101.17,81.29 U36.14
GEM2_13_NC: length 0.8
  BOTTOM w0.132: U79.13 v4(126.28,81.79)
GEM2_GPIO0: length 5.6
  BOTTOM w0.132: 116.74,74.21 117.36,74.83 117.36,76.04 117.55,76.23 117.55,76.78 118.06,77.29 U79.39 ; 116.74,74.21 v4(116.76,74.21) ; 116.74,74.21 R365.1 R356.2
GEM2_GPIO1: length 5.2
  BOTTOM w0.132: U79.40 118.08,77.79 117.22,76.93 117.22,76.53 116.78,76.09 v5(116.78,75.1) R355.2 R364.1
GEM2_INT_PWDN: length 2.7
  BOTTOM w0.132: U79.44 117.92,79.79 117.65,80.06 116.57,80.06 R354.2
GEM2_JTAG: length 4.8
  BOTTOM w0.132: 125.92,76.79 126.18,76.79 R373.2 ; 125.92,76.79 125.93,76.8 125.93,77.29 ; 125.92,76.79 U79.23 ; U79.20 125.45,78.28 125.9,78.28 126.03,78.15 126.03,77.39 125.93,77.29 ; 125.93,77.29 U79.22